# KiCad board STM32MP25XXAJ_DDR4.kicad_pcb (continued)
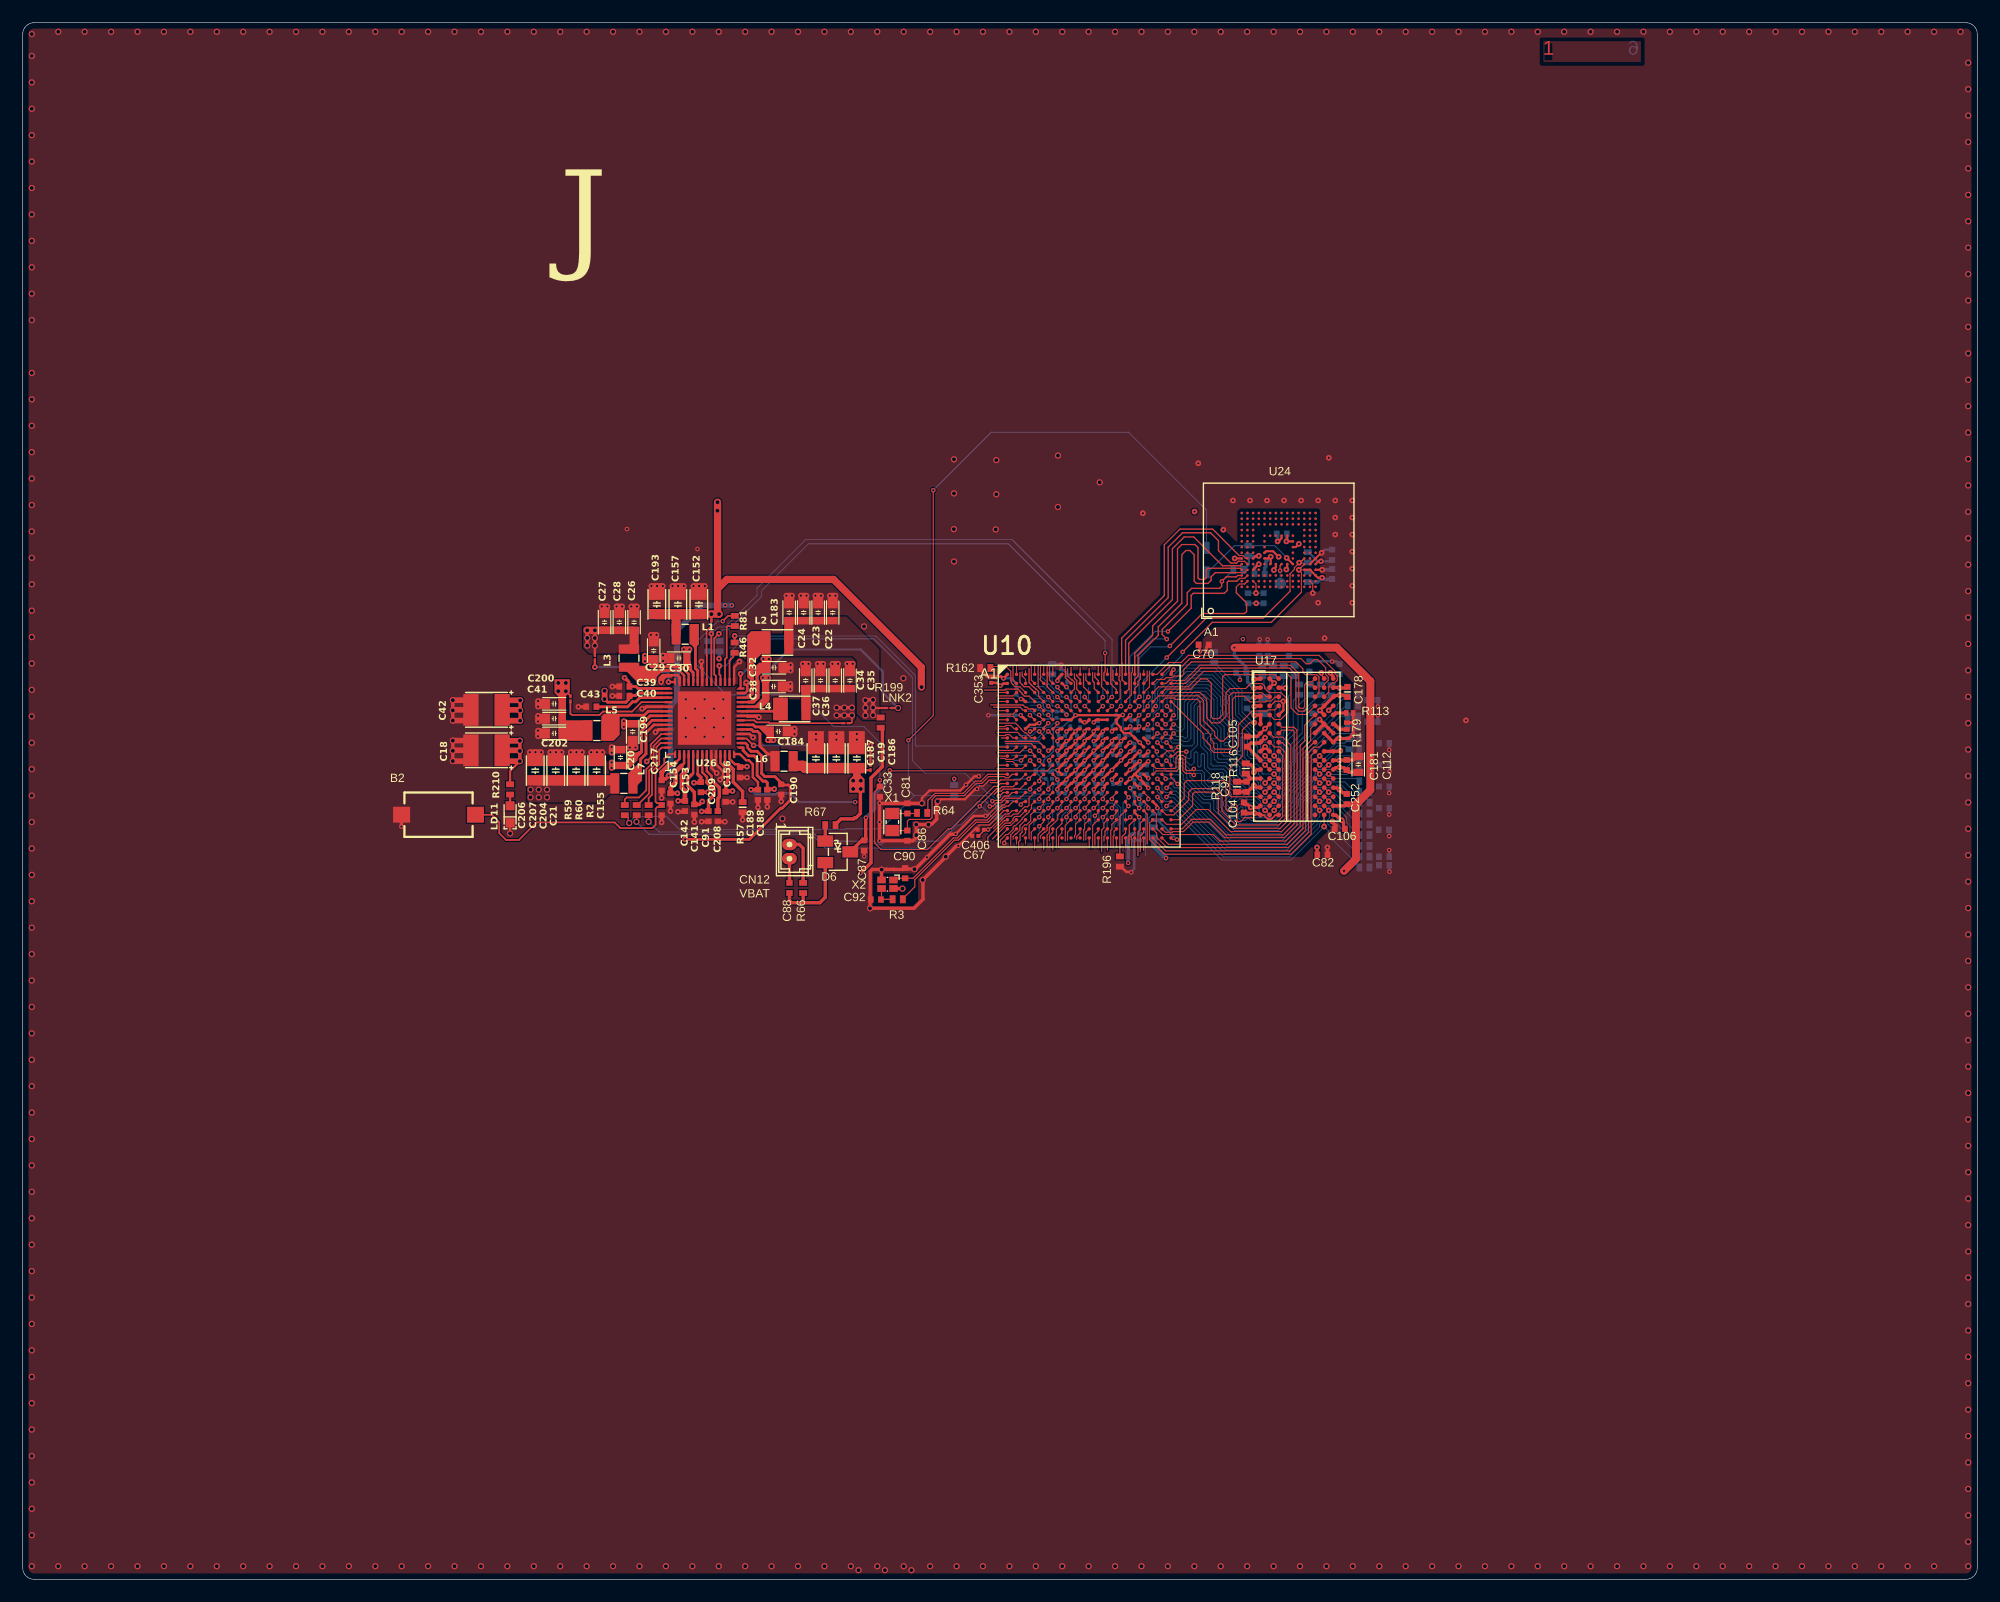
[diagram p0: board, top side]
## Routing (per net, layer and track width the routed paths; a pad name or vN(x,y) marks a point on that pad's centre or on a via; arc(x,y) is an arc through that point)
1V8: length 130.6
  Top Layer w0.09: 87.44,67.65 87.08,67.65 86.78,67.35 86.43,67.35 85.23,66.15 85.16,66.15 84.99,65.99 v1(84.95,65.99)
  Top Layer w0.12: U10.N6 90.25,69.65 v1(90.25,69.53) ; 84.1,65.4 84.57,65.88 C406.2 84.95,65.98
  Top Layer w0.18: 113.78,88.38 113.75,88.38 U24.N4 U24.M4 ; v2(114.25,89.6) 114.23,89.58 114,89.58 U24.P5 ; U24.C6 108.45,90.03 108.73,90.03 v2(108.78,90.08) ; U24.P3 113.97,88.15 v2(114.35,88.15)
  Top Layer w0.2: LNK1.2 v3(60.6,84.95) ; v1(98.25,67.08) 97.85,67.47 U10.T15 ; 96.59,75.99 96.53,76.05 92.66,76.05 92.26,75.65 U10.F7 ; 96.59,75.99 96.63,76.04 96.76,76.04 v1(96.8,76.08) ; 96.59,75.99 96.24,75.65 ; v1(91.85,78.53) 91.8,78.53 91.48,78.85 U10.B7 ; U10.J16 97.43,74.47 96.91,74.47 96.64,74.75 96.64,74.95 96.6,74.99 96.6,74.99 96.25,75.34 U10.F13 ; U10.G3 88.61,75.21 89.09,75.21 89.19,75.31 89.41,75.31 v1(89.45,75.35) ; v1(87.85,77.48) 87.89,77.44 88.04,77.44 88.22,77.25 U10.D3 ; U10.R17 99.81,68.09 99.81,67.91 v1(99.85,67.88)
  Top Layer w0.64: 61.14,87.18 61.14,85.09 v3(61.28,84.95) v3(60.6,84.95) C152.2 ; 61.14,87.18 61.97,88 71.35,88 79.07,80.28 79.07,78.53 ; 61.14,87.18 v3(61.14,94.8)
  Top Layer w0.8: C157.2 57.54,84.95 57.49,84.9 L1.2
  Top Layer w0.9: C193.2 57.54,84.95 ; C157.2 C152.2
  Signal Layer 2 2 w0.12: v1(84.95,65.99) 86.79,67.83 88.89,67.83 89.34,68.28 89.57,68.28 89.8,68.5 89.8,68.51 89.81,68.52 89.81,69.09 v1(90.25,69.53)
  Signal Layer 2 2 w0.15: v1(96.8,76.08) 96.82,76.1 96.82,76 97.07,75.75 97.07,70.27 97.27,70.08 97.56,70.08 97.88,69.76 97.88,69.43 ; 97.88,69.1 97.88,69.45 ; 97.88,69.1 97.88,67.45 98.25,67.08 ; 97.88,69.1 98.36,69.1 98.65,68.81 98.65,68.54 98.89,68.3 99.42,68.3 v1(99.85,67.88)
  Signal Layer 2 2 w0.64: v3(79.1,78.53) 84.51,78.53 85.97,79.99 91.05,79.99 91.85,79.19 v1(91.85,78.53) ; 60.6,84.95 61.28,84.95
  Bottom Layer w0.12: 89.15,71.18 89.29,71.32 89.29,71.37 89.86,71.93 89.86,72.12 90.18,72.44 90.27,72.44 90.69,72.86 90.69,74.82 90.86,74.99 91.51,74.99 92.03,75.51 92.06,75.51 C171.2 92.6,76.05 ; 92.67,76.01 92.71,76.05 ; 90.38,76.45 90.61,76.22 90.61,75.76 ; 90.38,76.45 90.4,76.45 ; 90.38,76.45 90.14,76.45 89.81,76.78 89.81,77 89.6,77.21 89.27,77.21 89.26,77.2 88.12,77.2 v1(87.85,77.48) ; C344.2 90.91,75.76 90.61,75.76 ; C79.2 89.29,70.98 89.29,70.89 89.57,70.62 89.6,70.62 89.74,70.47 90,70.47 90.23,70.25 90.23,69.55 v1(90.25,69.53) ; v1(89.45,75.35) 89.81,75.72 90.4,75.72 90.43,75.75 90.62,75.75 90.61,75.76 ; C352.2 91.9,78.62 91.82,78.55 ; 92.65,76.1 92.7,76.1 ; 92.6,76.05 92.6,76.1 92.25,76.45 92.25,78.12 v1(91.85,78.53) ; 92.6,76.05 v1(92.65,76.05) ; 91,75.74 92.06,75.74 92.16,75.64 ; 96.22,76.05 96.25,76.08 v1(96.8,76.08) 96.84,76.04 96.84,74.43 96.95,74.32 96.95,74.3 C165.2 97.22,74.23 97.73,74.23 97.81,74.23 98.2,73.84 98.2,73.8 98.26,73.74 98.26,73.66 98.25,73.65 ; 87.82,77.5 87.8,77.5 C356.2
  Bottom Layer w0.15: 99.95,67.38 99.95,67.78 v1(99.85,67.88)
  Bottom Layer w0.2: 98.27,65.52 98.27,67.14 98.26,67.14 ; 107.9,90.08 107.9,89.33 R44.2 107.45,88.82 ; 107.9,90.08 v2(108.78,90.08) 108.8,90.08 ; 107.9,90.08 107.9,90.1 ; 107.9,90.08 R248.2 ; 115.2,89.73 115.07,89.6 v2(114.25,89.6) 113.95,89.6 113.1,90.45
  Bottom Layer w0.3: C479.2 114.54,88.03 114.42,88.15 v2(114.35,88.15) 113.97,87.78 113.12,87.78
  vias: v1(98.3,73.65) v2(103.12,93.98) v3(61.13,94.05)
1V8_FB: length 5.1
  Top Layer w0.15: U26.35 60.2,81.31 60.18,81.34 60.18,83.47 LNK1.1
3V3: length 15.3
  Top Layer w0.15: 56.95,74.4 56.92,74.37 56.62,74.37 ; U26.53 56.2,74.4 55.26,73.47 55.26,72.33 v2(54.91,71.98)
  Top Layer w0.21: U26.3 58.2,71.83 57.97,71.6
  Top Layer w0.3: 56.98,69.18 C154.2 57.59,69.18
  Top Layer w0.4: 57.97,71.6 57.46,71.09 57.46,70.13 57.01,69.69 57.01,69.19 C154.2
  Top Layer w0.9: 51.89,70.3 51.86,70.32 C21.2 45.09,70.32
  vias: v2(57.61,69.18) v3(44.69,69.5) v3(44.69,68.82) v3(45.41,69.5) v3(45.41,68.82) v3(46.14,69.5) v3(46.14,68.82)
5V_STLK: length 56.5
  Top Layer w0.15: 65.43,80.1 65.32,79.99 64.89,79.99 64.62,79.73 64.62,77.53 64.3,77.2
  Top Layer w0.2: v3(43.75,72) 42.89,71.14 R210.1
  Top Layer w0.21: 63.29,73.2 U26.15 63.17,73.2 ; U26.39 58.6,79.66 57.96,80.3 55.98,80.3 55.76,80.51 55.76,80.81 55.52,81.05 ; U26.24 63.73,76.8 ; U26.25 64.3,77.2 ; 56.27,75.6 U26.50 ; 62.04,70.98 62.04,71.2 61.4,71.84 U26.11 ; 59.4,70.85 U26.6 ; U26.20 63.73,75.2 ; U26.38 59,79.53 ; 56.27,76 U26.49
  Top Layer w0.25: 52.6,71.75 53.37,71.75 54.45,72.82 54.45,74.67 55.38,75.6 56.27,75.6 ; 65.53,69.55 65.53,70.1 65.38,70.25 65.13,70.25 64.62,70.76 64.62,72.2 64.35,72.47 63.87,72.47 63.4,72.95 63.4,73.09 ; 65.75,74.62 65.75,74.7 65.55,74.9 65.47,74.9 65.35,75.03 64.46,75.03 64.29,75.2 63.73,75.2 ; 59,79.53 59,79.8 58.49,80.31 58.49,81.01 58.43,81.08 ; 53.68,75.28 54.49,75.28 55.22,76 56.27,76 ; 63.73,76.8 64.75,76.8 65.07,77.12
  Top Layer w0.3: 62.04,70.98 62.04,70.27 61.87,70.1 61.87,69.38 ; 61.85,69.38 61.87,69.38 ; 61.87,69.38 v2(62.46,69.38) ; v3(43.75,72) v3(43.75,72.9) v3(43.75,73.8) ; v3(43.78,75.56) v3(43.78,76.46) v3(43.78,77.36) ; 65.53,69.55 v2(66.13,69.55) ; v2(59.07,70.11) 59.68,70.11 59.67,70.11 59.67,70.58 59.4,70.85
  Top Layer w0.5: v3(43.75,72.9) 43.74,72.9 43.68,72.96 C18.1 ; 42.19,72.05 42.23,72 v3(43.75,72) ; 42.25,77.36 v3(43.78,77.36) ; 42.25,73.8 v3(43.75,73.8) ; 42.19,75.61 42.23,75.56 v3(43.78,75.56) ; C42.1 43.7,76.52 43.76,76.46 v3(43.78,76.46)
  Top Layer w0.6: 65.07,77.12 65.4,77.45 65.4,78.18
  vias: v2(51.82,71.9) v2(51.82,71.4) v2(52.9,75.53) v2(52.9,75.03) v2(54.75,81.3) v2(54.75,80.8) v2(58.18,81.85) v2(58.68,81.85) v2(65.12,79.35) v2(65.18,81) v2(65.62,79.35) v2(65.57,73.85) v2(65.67,81) v2(66.07,73.85)
5V_VCONN: length 5.7
  Top Layer w0.21: 58.88,70.83 59,70.95 U26.5
  Top Layer w0.3: v2(59.8,68.46) 59.54,68.2 C141.1 59.1,69.28 58.51,69.87 58.51,70.46 58.88,70.83
GND: length 236.6
  Top Layer w0.09: v1(101.57,65.1) 101.21,65.1 101.06,65.25 U10.W19 ; U24.N2 113.53,87.6 v2(113.53,86.8)
  Top Layer w0.1: 109.73,76.87 109.8,76.87 110.2,77.27 110.93,77.27 ; v1(83.97,69.56) 84.24,69.83 84.54,69.83 85.03,70.32 85.6,70.32 ; U17.A8 114.52,79.34 114.37,79.49 114.37,79.57 114.27,79.67 v2(114.27,79.78) ; 75.57,62.45 v3(75.59,62.46) 75.6,62.48 ; 75.55,61.58 75.55,61.58 ; 84.92,67.23 85.79,68.1 ; v2(44.62,72.8) 44.62,72.8 ; U10.T1 86.33,67.65 85.07,66.39 84.19,66.39 83.9,66.1
  Top Layer w0.11: 86.29,64.88 86.65,65.24
  Top Layer w0.15: 108.93,67.27 108.95,67.25 109.22,67.25 109.57,66.9 109.88,66.9 110.23,67.25 110.5,67.25 110.53,67.27
  Top Layer w0.18: v2(108.78,89.34) 108.73,89.3 108.72,89.3 U24.C4 ; v2(106.65,89.85) U24.A6 ; 110.42,91.28 110.78,91.62 U24.H10 ; U24.N5 U24.P6 114.28,90.35 v2(114.3,90.35) ; U24.P4 v2(114.35,88.85) ; v2(111.2,88.88) 111.2,88.96 111.28,89.04 U24.J5 ; v2(110.53,90) 110.52,90 110.03,90.48 109.42,90.48 109.28,90.35 U24.E7 ; U24.G5 110.28,89.09 110.1,88.91 v2(110.1,88.83) ; v2(112.3,91.12) 112.03,90.85 U24.K8
  Top Layer w0.2: C406.1 83.9,66.1 83.9,66.12 83.36,65.59 ; v1(92.65,69.53) 92.71,69.58 92.71,69.71 U10.N9 93.13,70.05 v1(93.45,70.38) ; v1(91.05,69.53) 91.05,69.65 U10.N7 ; 83.93,69.52 83.78,69.52 82.91,68.65 80.79,68.65 80.62,68.48 v3(80.53,68.48) ; 84.12,70.67 83.75,70.67 82.51,69.43 79.8,69.43 79.13,68.75 v3(79.13,68.3) ; C67.1 83.53,65.43 83.36,65.59 ; 91.44,70.05 U10.N7 ; U10.N7 91.46,70.05 91.85,70.44 91.86,70.44 ; 63.82,78.96 63.77,78.91 63.77,78.19 63.58,78 U26.27 ; C87.1 74.05,63.63 v1(74.05,63.63) ; 83.36,65.59 v1(82.33,64.55) ; v1(82.1,65.6) 83.68,67.18 84.71,67.18 84.76,67.23 84.92,67.23 ; LD11.2 42.89,66.58 v3(42.89,65.65) ; v2(63.67,78.93) 63.73,78.87 ; 110.53,76.07 110.94,76.48 110.94,77.26 110.93,77.27 ; v1(75.4,68.3) 75.42,68.32 75.42,68.91
  Top Layer w0.21: U26.9 60.6,71.42 v2(61.07,70.95) ; v2(61.37,70.38) 61.37,70.46 61.63,70.72 61.63,71.1 61,71.73 U26.10 ; U26.36 59.8,79.53 ; U26.22 63.73,76 ; 56.27,76.8 U26.47 ; U26.41 57.8,79.39 57.61,79.58 56.38,79.58 56.18,79.38 v2(56.18,78.98) ; U26.18 63.97,74.4 v2(64.27,74.1) ; 56.27,74.8 U26.52
  Top Layer w0.22: C70.1 104.17,82.05 v1(104.17,81.68) ; U10.L9 93.05,71.62 v1(92.65,71.23) ; 96.25,71.65 95.85,71.25 v1(95.85,71.23) 95.82,71.23 U10.M12 95.08,70.48 95.08,70.41 v1(95.05,70.38) ; v1(99.05,70.5) 99,70.5 U10.M16 ; U17.B2 v2(110.12,78.88) U17.A2 ; U10.M14 97.45,71.25 ; 91.84,73.78 91.47,73.4 91.47,73.27 U10.J7 ; 94.22,69.53 94.65,69.95 U10.N11 ; v1(93.45,70.38) 93.45,70.45 U10.M10 93.88,70.85 v1(94.25,71.23) ; 98.25,69.65 U10.N15 97.83,70.03 ; 91.44,70.85 91.39,70.85 91.39,70.86 91.11,71.15 91.07,71.15 ; 93.42,73.78 93.42,73.62 U10.J9 92.99,73.25 92.93,73.18 92.89,73.18 92.65,72.94 v1(92.65,72.93) 92.65,72.85 U10.K8 91.88,72.08 ; 86.62,79.65 86.63,79.65 86.63,79.62 86.31,79.3 v1(86.31,79.29) 86.26,79.29 86.1,79.45 C353.1 85.22,79.46 84.85,79.46 84.4,79.91 84.4,80.06 R162.2 ; 96.24,73.25 95.91,72.91 95.84,72.91 95.47,72.54 95.47,72.47 U10.K12 95.07,72.08 ; 96.25,71.66 96.65,72.06 ; U10.H16 v1(99.05,73.65) ; U10.H14 97.01,74.01 96.88,74.01 96.65,73.78 ; U10.G7 91.43,74.83 91.26,74.83 v1(91.05,74.62) ; v1(101.27,80.06) 101.27,80.02 101.07,79.82 101.07,79.67 U10.A19 ; 94.67,71.7 v1(95.05,72.08) ; 97.45,72.85 97.85,73.25 ; v1(98.25,75.06) 98.04,74.85 U10.G15 ; v1(96.65,72.08) 97.03,72.45 U10.K14 97.45,72.85 ; U10.K16 v1(99.05,72.85) ; U10.L11 94.64,71.65 94.25,71.26 ; 97.48,71.28 U10.L15 97.9,71.65 98.25,72 ; 92.7,71.18 92.64,71.18 92.31,70.85 U10.M8 ; v1(93.45,73.78) 93.45,73.79 93.68,74.01 93.81,74.01 U10.H10 94.25,74.45 v1(94.25,74.62) 94.46,74.83 94.63,74.83 94.64,74.85 ; v1(91.85,72.08) 91.45,71.68 U10.L7 91.05,71.25 v1(91.05,71.23) ; U10.J13 96.25,73.38 v1(96.65,73.78) ; v1(91.85,73.78) 91.88,73.81 92,73.81 92.24,74.05 U10.H8 92.25,74.23 v1(92.65,74.62) 92.65,74.65 92.84,74.84 93.03,74.84 93.04,74.85 ; U10.M8 91.85,70.45 v1(91.85,70.38) ; U10.M8 92.24,70.85 ; 94.65,73.25 93.44,72.05 93.44,71.95 93.35,71.95 93.04,71.65 ; U10.H12 95.41,74.01 95.27,74.01 95.05,73.79 v1(95.05,73.78) 95.05,73.68 94.62,73.25 ; 91.45,73.25 91.16,72.96 91.08,72.96 v1(91.05,72.93) ; U10.G13 96.24,74.84 96.05,74.84 95.85,74.64 v1(95.85,74.62) ; 96.25,70.05 96.32,70.05 v1(96.65,70.38) ; R196.1 96.64,62.73 97.11,62.26 97.52,62.26 v1(97.55,62.23)
  Top Layer w0.25: v2(55.69,74.56) 55.72,74.56 55.96,74.8 56.27,74.8 ; 64.26,74.1 v2(64.27,74.1) ; 59.8,79.53 59.8,80.14 59.73,80.21 v2(59.73,80.78) ; 63.73,76 64.33,76 ; 56.27,76.8 54.88,76.8 54.76,76.67 54.56,76.67 v2(54.51,76.62)
  Top Layer w0.28: C178.1 116.46,77.77 116.31,77.77 116.27,77.81 115.92,77.81 v2(115.9,77.83) 115.9,77.82 115.88,77.82 ; 114.81,63.77 114.81,64.41 ; 108.93,75.27 108.93,76.07 108.38,76.07 ; v2(115.88,74.03) 115.67,74.03 U17.H9 U17.G8 ; 114.54,76.08 114.53,76.08 114.15,76.46 v2(114.15,76.48) 114.15,76.49 114.53,76.86 114.53,76.87 115.33,77.67 115.36,77.67 115.47,77.78 115.79,77.78 115.83,77.82 ; 117.55,72.43 117.42,72.43 117.11,72.12 116.52,72.12 116.49,72.1 115.9,72.1 115.88,72.07 ; 117.07,75.4 117.07,74.37 116.7,74 115.82,74 ; 117.07,75.4 R179.1 ; 117.07,75.4 R113.1 ; 115.88,72.07 115.91,72.03 ; 115.88,72.07 115.33,72.07 ; U17.K1 108.92,72.11 107.89,73.14 ; 115.33,69.67 115.35,69.65 115.67,69.65 115.82,69.5 ; 116.52,69.12 C252.1 116.4,69.23 116.15,69.23 115.89,69.5 115.88,69.5
  Top Layer w0.3: 61.18,66.68 v2(61.79,66.68) ; v2(63.35,66.84) R57.1 ; v2(57.67,67.55) 58.27,67.55 ; 75.4,68.3 v1(75.4,68.3) ; 75.4,68.3 C81.2 v3(79.13,68.3) ; 75.4,68.3 v1(75.4,66.65) ; v2(59.74,66.68) 60.35,66.68 ; 115.55,66.2 115.55,66.34 115.25,66.65 v2(115.25,66.7) ; 108.93,67.27 108.89,67.27 108.78,67.38 108.42,67.38 108.39,67.42 107.41,67.42 107.4,67.41 ; C86.2 78.34,65 78.58,65.24 78.58,65.45 v3(78.63,65.5) v3(78.63,66.43) 79.7,66.43 v3(79.7,66.42) 79.75,66.47 79.99,66.47 80.43,66.91 80.43,68.38 v3(80.53,68.48) ; C86.2 77.96,65.11 ; C86.2 v1(75.4,65) ; X2.2 75.57,62.45 ; 75.4,65.28 75.4,66.65 ; C92.2 74.58,59.87 74.58,62.3 74.75,62.48 76,62.48 76.01,62.49 76.66,62.49 76.67,62.48 77.5,62.48 77.63,62.6 C90.1 77.74,62.51 78.48,62.51 ; v3(37.85,73.81) v3(37.85,72.91) v3(37.85,72.01) ; 109.33,74.07 108.93,73.67 108.89,73.67 108.81,73.6 108.07,73.6 107.88,73.41 107.88,73.38 107.77,73.28 C105.1 ; 76.66,60.79 76.67,60.79 77.41,60.79 v3(77.41,60.79) ; v2(65.53,67.99) C188.1 65.53,68.65 ; v2(51.88,78.58) C39.1 ; 74.56,59.88 74.56,59.09 74.59,59.06 78.44,59.06 79.23,59.85 79.23,61.53 v3(79.2,61.55) 81.23,63.58 v3(81.23,63.6) 82.16,64.53 82.31,64.53 v1(82.33,64.55) ; v2(64.7,67.93) C189.1 ; 56.23,68.81 C217.2 ; 108.93,69.67 U17.N1 108.9,69.7 108.59,69.7 108.41,69.88 108.35,69.88 107.88,69.4 107.83,69.4 107.73,69.3 106.86,69.3 ; v1(33.32,66.24) 33.32,66.25 33.32,67.28 B2.1 ; v3(78.48,62.5) 78.53,62.5 v1(79.58,63.55) 81.61,65.58 82.08,65.58 ; v2(51.88,77.75) C40.1 ; 56.23,66.58 56.23,67.19 ; v2(48.9,76.79) 49.55,76.79 ; 66.75,68.47 66.75,68.47 66.75,69.06 C190.2 ; C156.1 v2(63.73,70.57) ; 59.1,66.69 C141.2 ; C209.1 v2(62.48,68.42) ; v3(37.85,75.58) v3(37.85,76.48) v3(37.85,77.38) ; C153.1 v2(60.29,69.27) ; v2(57,67.61) 57,68.22 ; 107.74,73.28 107.89,73.28
  Top Layer w0.5: v3(37.85,77.38) 39.38,77.38 ; 39.44,72.06 39.39,72.01 v3(37.85,72.01) ; v3(37.85,73.81) 39.38,73.81 ; 39.44,75.62 39.39,75.58 v3(37.85,75.58) ; v3(37.85,76.48) 37.86,76.48 37.91,76.52 C42.2 ; v3(37.85,72.91) 37.86,72.91 37.91,72.96 C18.2
  Bottom Layer w0.09: 99.95,66.73 99.95,66.83
  Bottom Layer w0.1: 92.62,74.65 92.7,74.65 ; 89.6,70.98 89.69,70.98 ; C171.1 92.62,74.62 v1(92.65,74.62)
  Bottom Layer w0.2: 109.2,85.88 109.17,85.9 v2(108.55,85.9) C182.1 ; C79.1 90.5,71.12 90.55,71.08 ; v1(91.05,69.53) 91.05,69.28 C399.2 ; v1(92.65,69.53) 92.65,69.25 92.78,69.12 ; 115.25,90.62 C478.1 114.57,90.62 v2(114.3,90.35) ; 99.95,66.73 v1(101.57,65.1)
  Bottom Layer w0.22: C257.1 119.22,75.98 119.28,76.03 ; C381.1 95.05,70.12 v1(95.05,70.38) ; 98.12,75.6 C357.1 98.12,75.19 v1(98.25,75.06) 98.25,75.01 98.19,74.95 98.19,74.74 C176.1 ; C167.1 93.45,73.53 v1(93.45,73.78) ; C387.2 91.05,70.98 v1(91.05,71.23) ; v1(120.25,64.18) C160.1 120.28,63.58 ; v1(120.25,69.2) 120.28,69.23 120.28,69.75 ; 97.85,73 C201.1 97.7,72.85 97.45,72.85 ; C166.1 91.11,74.32 91.11,74.52 91.05,74.58 v1(91.05,74.62) ; v1(91.05,72.93) 91.05,72.7 91.2,72.55 ; 120.28,67.88 120.25,67.85 v1(120.25,67.3) ; 94.4,69.12 C402.1 94.25,69.28 v1(94.25,69.53) ; C159.1 95.05,73.53 v1(95.05,73.78) ; v1(91.85,73.78) 91.85,73.55 91.72,73.43 ; C164.2 92.65,72.68 v1(92.65,72.93) ; C380.1 92.65,70.98 v1(92.65,71.23) ; C384.1 90.65,71.23 v1(91.05,71.23) ; C360.2 94.25,74.38 v1(94.25,74.62) ; C172.1 108.6,76.2 108.42,76.03 ; v1(99.05,72.85) 99.05,72.6 98.92,72.48 ; C145.1 108.85,82.18 ; 108.85,82.18 C144.1 109.56,82.19 109.56,82.71 v1(109.55,82.73) ; 108.85,82.18 v1(108.85,82.73) ; C378.1 91.85,71.83 v1(91.85,72.08) ; 91.4,80.5 91.35,80.55 R161.2 ; 97.8,69.75 97.76,69.71 97.56,69.71 97.5,69.65 v1(97.45,69.65) 97.48,69.62 97.48,69.53 97.76,69.25 97.76,69.12 C409.1 97.82,68.28 97.85,68.25 ; v1(93.45,70.38) 93.45,70.12 C192.1 ; C388.1 95.05,71.83 v1(95.05,72.08) ; v1(86.31,79.29) 86.32,79.3 86.95,79.3 87.45,78.8 C356.1 ; v1(120.25,73) 120.25,73.5 120.3,73.55 ; C210.1 C407.1 97.8,62.52 97.55,62.27 v1(97.55,62.23) ; v1(91.4,80.5) 91.4,80.05 91.41,80.04 91.6,80.04 91.83,79.8 91.83,79.62 C352.1 ; v1(91.85,70.38) 91.85,70.15 91.72,70.03 ; 115.2,80.75 115.15,80.8 C256.1 ; C163.1 95.88,72.65 v1(95.88,72.93) ; v1(119.25,76.8) 119.25,77.38 ; 84.95,76.05 C161.1 ; v1(120.28,71.1) 120.28,71.68 ; 96.53,70.03 96.65,70.15 v1(96.65,70.38) ; v1(97.45,71.25) 97.7,71.25 C377.1 ; C174.2 96.65,73.53 v1(96.65,73.78) 96.47,73.95 C165.1 ; v1(115.22,80.78) 115.62,80.78 115.88,80.53 ; C344.1 91.57,76.38 v1(91.85,76.1) ; 96.22,75.5 95.85,75.12 v1(95.85,74.62) ; C168.1 94.25,72.68 v1(94.25,72.93) ; 120.25,62.83 120.28,62.8 v1(120.28,62.28) ; 90.97,69.5 91.03,69.5 ; 104.85,81.62 104.8,81.68 v1(104.17,81.68) ; C195.1 98.25,69.9 98.25,69.65 ; v1(107.11,79.16) 107.11,79.17 107.11,79.47 106.94,79.63 106.92,79.63 106.78,79.78 C255.1 ; v1(93.45,72.08) 93.45,71.83 C372.1 ; v1(91.05,71.23) 91.02,71.19 ; v1(111.45,82.73) 111.44,82.71 111.44,82.19 C258.1 ; v1(94.25,71.23) 94.25,70.98 C382.1 ; C218.1 108.35,76.03 v2(108.39,76.03) 108.4,76.03 ; 98.4,71.62 98.4,71.62 98.33,71.69 98.33,71.97 v1(98.3,72) ; v1(99.05,70.5) 99.05,70.75 C389.2 ; 99.05,73.6 99.03,73.62 R112.1 ; C143.1 92.67,74.62 v1(92.65,74.62) 92.65,74.4 92.78,74.28 ; v1(120.25,65.4) 120.25,65.98
  Bottom Layer w0.28: v2(114.15,76.48) 113.88,76.2 C179.1 ; 99.95,66.83 99.97,66.83 ; 99.47,66.8 100.03,66.8
  Bottom Layer w0.3: C479.1 115.15,88.85 v2(114.35,88.85) ; v2(108.78,89.34) 108.73,89.29 108.64,89.29 108.4,89.05 C180.1 ; 110.42,91.28 110.42,91.95 C177.1
  vias: v1(53.18,92.44) v1(59.37,90.68) v1(83,69.93) v1(84.13,70.68) v1(84.72,67.2) v1(84.97,76.05) v1(86.38,64.8) v1(97.45,72.85) v1(98.3,69.65) v1(119.25,76.05) v2(45.12,72.8) v2(45.35,77.3) v2(45.35,76.8) v2(45.35,76) v2(45.35,75.5) v2(45.35,74.7) v2(45.35,74.2) v2(45.63,72.8) v2(46.42,72.8) v2(46.93,72.8) v2(47.43,72.8) v2(48.22,72.8) v2(48.73,72.8) v2(49.23,72.8) v2(50.02,72.8) v2(50.52,72.8) v2(50.95,85.62) v2(51.03,72.8) v2(51.45,85.62) v2(51.82,73.25) v2(51.82,72.75) v2(52.25,85.62) v2(52.75,85.62) v2(53.42,73.2) v2(53.55,85.62) v2(53.93,73.2) v2(54.05,85.62) v2(55.32,87.43) v2(55.27,83.12) v2(55.82,87.43) v2(55.78,83.12) v2(56.23,68.76) v2(56.22,66.61) v2(56.33,87.43) v2(56.35,81.32) v2(56.35,80.82) v2(57.17,87.43) v2(57.68,87.43) v2(58.18,87.43) v2(58.35,77.45) v2(58.35,75.8) v2(58.35,74.15) v2(59.02,87.43) v2(59.1,66.64) v2(59.18,76.62) v2(59.18,74.98) v2(59.52,87.43) v2(60.03,87.43) v2(60,77.45) v2(60,75.8) v2(60,74.15) v2(60.82,76.62) v2(60.82,74.98) v2(61.65,77.45) v2(61.65,75.8) v2(61.65,74.15) v2(64.78,75.88) v2(66.75,68.46) v2(67.2,86.58) v2(67.57,80.48) v2(67.57,79.98) v2(67.55,78.83) v2(67.55,78.33) v2(67.7,86.58) v2(67.92,74.88) v2(67.92,74.38) v2(68.47,86.58) v2(68.65,80.58) v2(68.97,86.58) v2(69.15,80.58) v2(69.75,86.58) v2(69.8,74.4) v2(69.8,73.9) v2(69.95,80.58) v2(70.25,86.58) v2(70.45,80.58) v2(71.03,86.58) v2(71.25,80.58) v2(71.53,86.58) v2(71.6,74.4) v2(71.6,73.9) v2(71.75,80.58) v2(72.55,80.58) v2(73.05,80.58) v2(73.4,74.4) v2(73.4,73.9) v2(98.57,93.83) v2(103.45,98.23) v2(105.65,92.38) v2(106.5,94.95) v2(108,94.95) v2(108.34,69.87) v2(108.38,67.43) v2(109.32,74.08) v2(109.5,94.95) v2(110.42,91.35) v2(110.92,77.28) v2(111,94.95) v2(112.5,94.95) v2(114,94.95) v2(114,85.95) v2(114.56,82.83) v2(114.81,64.42) v2(114.94,98.71) v2(115.5,94.95) v2(115.5,93.45) v2(115.5,91.95) v2(115.87,72.08) v2(115.87,69.5) v2(117,94.95) v2(117,93.45) v2(117,91.95) v2(117,90.45) v2(117,88.95) v2(117,87.45) v2(117,85.95) v2(127,75.6) v3(0.8,136) v3(0.8,134.07) v3(0.8,131.75) v3(0.8,129.43) v3(0.8,127.1) v3(0.8,124.78) v3(0.8,122.45) v3(0.8,120.12) v3(0.8,117.8) v3(0.8,115.48) v3(0.8,113.15) v3(0.8,110.83) v3(0.8,106.18) v3(0.8,103.85) v3(0.8,101.53) v3(0.8,99.2) v3(0.8,96.88) v3(0.8,94.55) v3(0.8,92.23) v3(0.8,89.9) v3(0.8,87.58) v3(0.8,85.25) v3(0.8,82.93) v3(0.8,80.6) v3(0.8,78.28) v3(0.8,75.95) v3(0.8,73.62) v3(0.8,71.3) v3(0.8,68.98) v3(0.8,66.65) v3(0.8,64.33) v3(0.8,62) v3(0.8,59.68) v3(0.8,57.35) v3(0.8,55.03) v3(0.8,52.7) v3(0.8,50.38) v3(0.8,48.05) v3(0.8,45.73) v3(0.8,43.4) v3(0.8,41.08) v3(0.8,38.75) v3(0.8,36.43) v3(0.8,34.1) v3(0.8,31.78) v3(0.8,29.45) v3(0.8,27.12) v3(0.8,24.8) v3(0.8,22.47) v3(0.8,20.15) v3(0.8,17.83) v3(0.8,15.5) v3(0.8,13.18) v3(0.8,10.85) v3(0.8,8.53) v3(0.8,6.2) v3(0.8,3.88) v3(0.8,1.15) v3(3.13,136.2) v3(3.13,1.15) v3(5.45,136.2) v3(5.45,1.15) v3(7.78,136.2) v3(7.78,1.15) v3(10.1,136.2) v3(10.1,1.15) v3(12.43,136.2) v3(12.43,1.15) v3(14.75,136.2) v3(14.75,1.15) v3(17.08,136.2) v3(17.08,1.15) v3(19.4,136.2) v3(19.4,1.15) v3(21.73,136.2) v3(21.73,1.15) v3(24.05,136.2) v3(24.05,1.15) v3(26.38,136.2) v3(26.38,1.15) v3(28.7,136.2) v3(28.7,1.15) v3(31.03,136.2) v3(31.03,1.15) v3(33.35,136.2) v3(33.35,1.15) v3(35.68,136.2) v3(35.68,1.15) v3(38,136.2) v3(38,1.15) v3(40.33,136.2) v3(40.33,1.15) v3(42.65,136.2) v3(42.65,1.15) v3(44.98,136.2) v3(44.98,1.15) v3(47.3,136.2) v3(47.3,1.15) v3(49.63,136.2) v3(49.63,1.15) v3(51.95,136.2) v3(51.95,1.15) v3(54.28,136.2) v3(54.28,1.15) v3(56.6,136.2) v3(56.6,1.15) v3(58.93,136.2) v3(58.93,1.15) v3(61.25,136.2) v3(61.25,1.15) v3(63.58,136.2) v3(63.58,1.15) v3(65.9,136.2) v3(65.9,1.15) v3(66.85,66.95) v3(68.23,136.2) v3(68.23,1.15) v3(70.55,136.2) v3(70.55,1.15) v3(72.88,136.2) v3(72.88,1.15) v3(73.55,0.8) v3(74.03,83.87) v3(74.56,59.05) v3(75.2,136.2) v3(75.2,1.15) v3(75.87,0.8) v3(77.53,136.2) v3(77.5,79.31) v3(77.53,1.15) v3(78.2,0.8) v3(79.85,136.2) v3(79.85,1.15) v3(81.94,92.43) v3(81.95,98.57) v3(81.95,95.57) v3(81.95,89.58) v3(82.18,136.2) v3(82.18,1.15) v3(84.5,136.2) v3(84.5,1.15) v3(85.62,92.4) v3(85.67,98.5) v3(85.67,95.5) v3(86.83,136.2) v3(86.83,1.15) v3(89.15,136.2) v3(89.15,1.15) v3(91.1,98.9) v3(91.1,94.38) v3(91.48,136.2) v3(91.48,1.15) v3(93.8,136.2) v3(93.8,1.15) v3(94.78,96.55) v3(96.13,136.2) v3(96.13,1.15) v3(98.45,136.2) v3(98.45,1.15) v3(100.78,136.2) v3(100.78,1.15) v3(103.1,136.2) v3(103.1,1.15) v3(105.43,136.2) v3(105.43,1.15) v3(107.75,136.2) v3(107.75,1.15) v3(110.08,136.2) v3(110.08,1.15) v3(112.4,136.2) v3(112.4,1.15) v3(114.73,136.2) v3(114.73,1.15) v3(117.05,136.2) v3(117.05,1.15) v3(119.38,136.2) v3(119.38,1.15) v3(121.7,136.2) v3(121.7,1.15) v3(124.03,136.2) v3(124.03,1.15) v3(126.35,136.2) v3(126.35,1.15) v3(128.68,136.2) v3(128.68,1.15) v3(131,136.2) v3(131,1.15) v3(133.33,136.2) v3(133.33,1.15) v3(135.65,136.2) v3(135.65,1.15) v3(137.98,136.2) v3(137.98,1.15) v3(140.3,136.2) v3(140.3,1.15) v3(142.63,136.2) v3(142.63,1.15) v3(144.95,136.2) v3(144.95,1.15) v3(147.28,136.2) v3(147.28,1.15) v3(149.6,136.2) v3(149.6,1.15) v3(151.93,136.2) v3(151.93,1.15) v3(154.25,136.2) v3(154.25,1.15) v3(156.58,136.2) v3(156.58,1.15) v3(158.9,136.2) v3(158.9,1.15) v3(161.23,136.2) v3(161.23,1.15) v3(163.55,136.2) v3(163.55,1.15) v3(165.88,136.2) v3(165.88,1.15) v3(168.2,136.2) v3(168.2,1.15) v3(170.53,136.2) v3(171.2,133.48) v3(171.2,131.15) v3(171.2,128.82) v3(171.2,126.5) v3(171.2,124.18) v3(171.2,121.85) v3(171.2,119.53) v3(171.2,117.2) v3(171.2,114.88) v3(171.2,112.55) v3(171.2,110.23) v3(171.2,107.9) v3(171.2,105.57) v3(171.2,103.25) v3(171.2,100.92) v3(171.2,98.6) v3(171.2,96.27) v3(171.2,93.95) v3(171.2,91.62) v3(171.2,89.3) v3(171.2,86.97) v3(171.2,84.65) v3(171.2,82.32) v3(171.2,80) v3(171.2,77.67) v3(171.2,75.35) v3(171.2,73.02) v3(171.2,70.7) v3(171.2,68.37) v3(171.2,66.05) v3(171.2,63.72) v3(171.2,61.4) v3(171.2,59.07) v3(171.2,56.75) v3(171.2,54.43) v3(171.2,52.1) v3(171.2,49.78) v3(171.2,47.45) v3(171.2,45.12) v3(171.2,42.8) v3(171.2,40.47) v3(171.2,38.15) v3(171.2,35.83) v3(171.2,33.5) v3(171.2,31.18) v3(171.2,28.85) v3(171.2,26.55) v3(171.2,24.22) v3(171.2,21.9) v3(171.2,19.58) v3(171.2,17.25) v3(171.2,14.93) v3(171.2,12.6) v3(171.2,10.28) v3(171.2,7.95) v3(171.2,5.62) v3(171.2,3.3) v3(171.2,1.15)
